# Altium PCB mppt.PcbDoc (part 1 of 2) (continued)
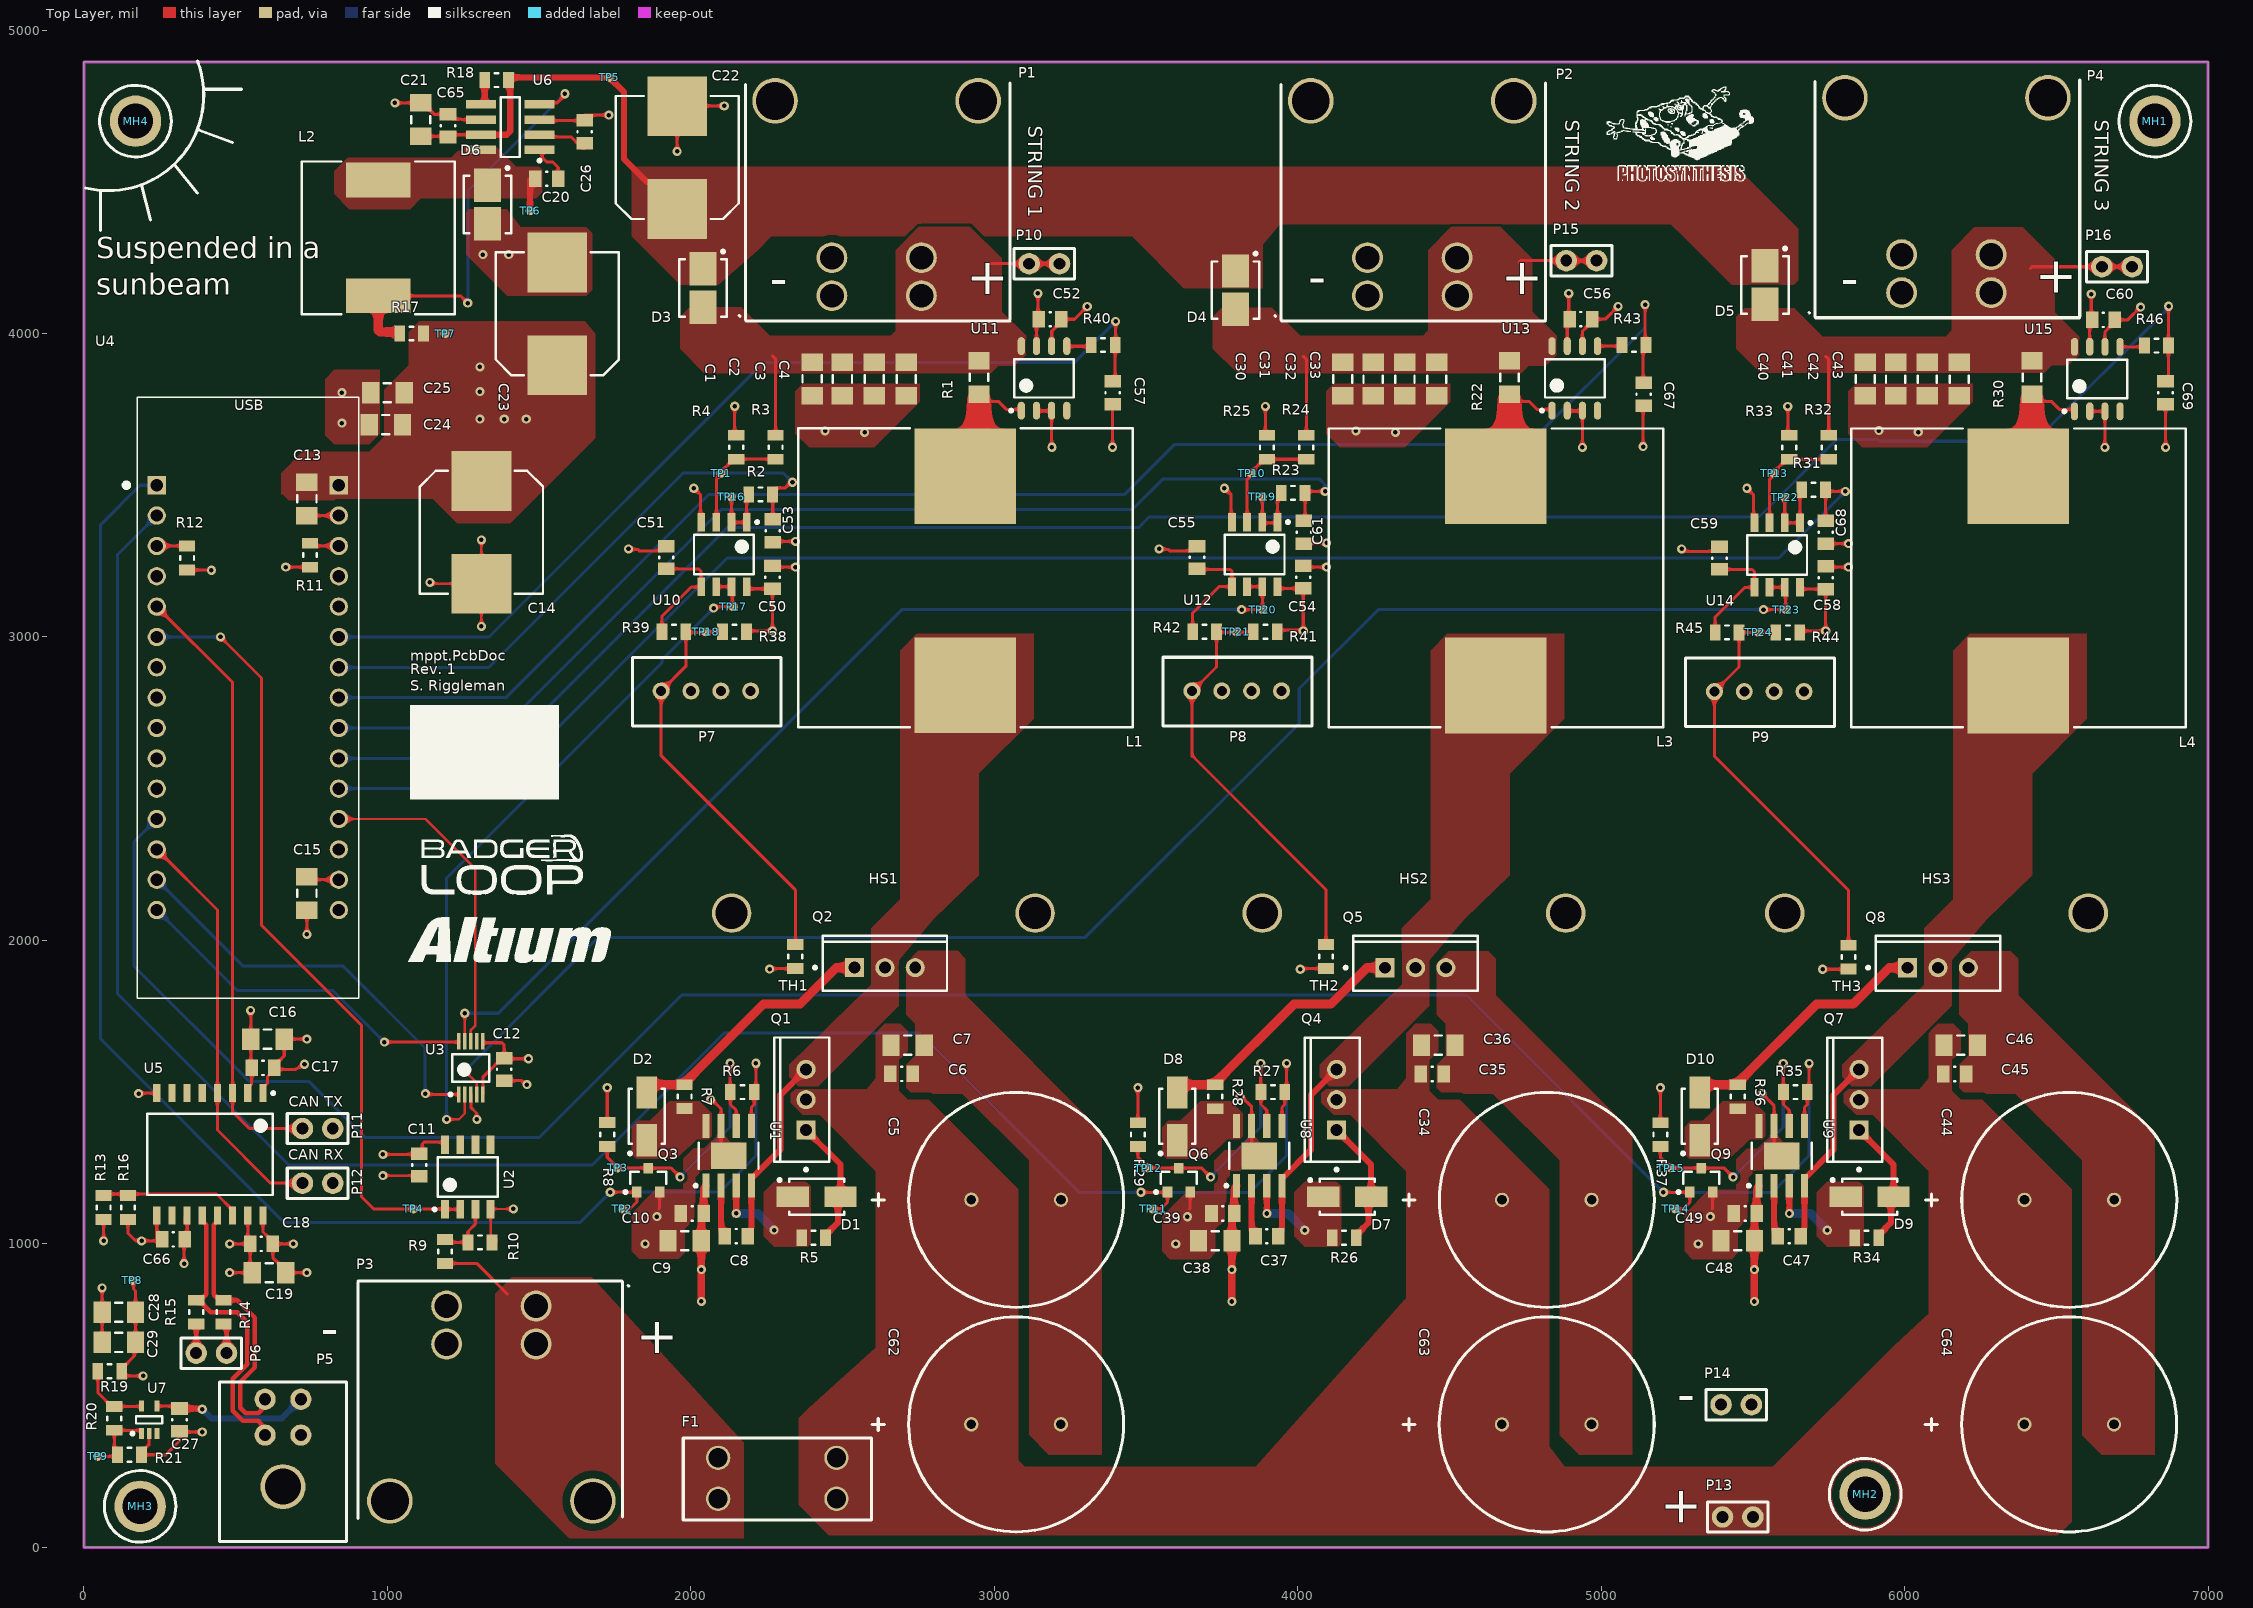
[diagram p0: Top Layer view]
## Part data (continued)
F1: "FUSE HOLDER MINI AUTO PC", Color=Black, Current Rating=20A, Flammability Rating="UL94 V-0", Manufacturer="Keystone Electronics", Max Operating Temperature=145°C, Min Operating Temperature=-50°C, Package Quantity=1, Supplier Part Number 1=3568K-ND, Voltage=500V, Approvals=UL, Body Material=Nylon, ComponentLink1Description=http://www.keyelco.com/userAssets/file/M60-2p40.pdf?src-supplier=Future+Electronics, ComponentLink1URL=http://www.keyelco.com/userAssets/file/M60-2p40.pdf?src-supplier=Future+Electronics, ComponentLink2Description=https://www.alliedelec.com/m/d/15b4f09b8ba48c4b08efedd730709c21.pdf?src-supplier=Allied+Electronics, ComponentLink2URL=https://www.alliedelec.com/m/d/15b4f09b8ba48c4b08efedd730709c21.pdf?src-supplier=Allied+Electronics, Contact Material=Brass,Tin, Contact Plating=Tin, Depth=6.73mm, Fuse Current=20A, Fuse Type=Automotive, Illumination Type=Illuminated, Lead Free="Lead Free", Length=16mm, Manufacturer Part Number=3568, Material=Brass,Tin,Nylon, Mount=PCB,Vertical, Number of Circuits=1, Number of Poles=1, Orientation=Vertical, REACH SVHC="No SVHC", Stock 1=0, Supplier 1=Digi-Key, Termination="PC Pin", Voltage Rating (AC)=500V
HS1 HS2 HS3: "TO-220/218 Packages 5.60 C/W Thermal Resistance Extruded Heat Sink", Case/Package=Radial, Color=Black, Manufacturer="Aavid Thermalloy", Natural Thermal Resistance=5.6°C/W, Package Quantity=500, Supplier Part Number 1=6396BG-ND, Thermal Resistance @ Forced Air Flow (100 LFM)=1.5°C/W, Category="Heat Sinks", ComponentLink1Description=https://datasheet.ciiva.com/15226/getdatasheetpartid-419829-15226549.pdf?src-supplier=Verical, ComponentLink1URL=https://datasheet.ciiva.com/15226/getdatasheetpartid-419829-15226549.pdf?src-supplier=Verical, ComponentLink2Description=https://datasheet.ciiva.com/1005/aavid-board-level-heatsinks-catalog-1005003.pdf?src-supplier=Digi-Key, ComponentLink2URL=https://datasheet.ciiva.com/1005/aavid-board-level-heatsinks-catalog-1005003.pdf?src-supplier=Digi-Key, Depth=25.4mm, Finish=Anodized, Height=25.4mm, Height Off Base=1inch, Lead Free="Lead Free", Length=41.91mm, Manufacturer Part Number=6396BG, Material=Aluminium, Mount="Bolt,PC Pin,Screw", Number of Pins=220, Pricing 1="1=1.68000, 10=1.59700, 25=1.55440, 50=1.51260, 100=1.42850, 250=1.34452, 500=1.26048, 1000=1.17645, 5000=1.13443 (USD)", Radiation Hardening=No, REACH SVHC="No SVHC", RoHS=Yes, RoHS Compliant=Yes, Shape=Fins,Rectangular, Stock 1=13758, Supplier 1=Digi-Key, Type=Passive, Width=41.91mm
L1 L3 L4: "Inductor, 100Uh, 11.2A, 20%, Shielded Rohs Compliant: Yes", Capacitance=10uF, Case/Package=0805, Current Rating=11.2A, DC Resistance (DCR)=22.9mR, Inductance=100uH, Manufacturer="Wurth Electronics", Max Operating Temperature=85°C, Min Operating Temperature=-55°C, Resistor Type=Wirewound, Saturation Current=9.4A, Self Resonant Frequency=4.3MHz, Supplier Part Number 1=732-11715-ND, Tolerance=10%, Voltage Rating=16V, ComponentLink1Description=http://www.farnell.com/datasheets/2579580.pdf?src-supplier=Farnell, ComponentLink1URL=http://www.farnell.com/datasheets/2579580.pdf?src-supplier=Farnell, ComponentLink2Description=https://katalog.we-online.de/pbs/datasheet/74437529203101.pdf?src-supplier=Digi-Key, ComponentLink2URL=https://katalog.we-online.de/pbs/datasheet/74437529203101.pdf?src-supplier=Digi-Key, Core Material=Ferrite, Manufacturer Part Number=74437529203101, Mount="Surface Mount", Packaging="Cut Tape", Pricing 1="1=9.16000, 50=8.03400, 100=7.17300, 270=6.52100 (USD)", RoHS=Yes, RoHS Compliant=Yes, Shielding=Shielded, Stock 1=995, Supplier 1=Digi-Key
L2: "Ind Power Shielded Wirewound 560uH 10% 1KHz 22Q-Factor Ferrite 880mA T/R", Case/Package=Nonstandard, Current Rating=880mA, DC Resistance (DCR)=1R, Inductance=560uH, Inductance Tolerance=10%, Manufacturer=Bourns, Max Operating Temperature=125°C, Min Operating Temperature=-40°C, Package Quantity=600, Ratings=AEC-Q200, Resistor Type=Wirewound, Saturation Current=800mA, Self Resonant Frequency=2.4MHz, Supplier Part Number 1=SRR1260A-561KCT-ND, Test Frequency=1kHz, Category="Fixed Inductors", ComponentLink1Description=https://datasheet.ciiva.com/41859/srr1260a-41859722.pdf?src-supplier=Digi-Key, ComponentLink1URL=https://datasheet.ciiva.com/41859/srr1260a-41859722.pdf?src-supplier=Digi-Key, ComponentLink2Description=https://datasheet.ciiva.com/48685/srr1260a-48685626.pdf?src-supplier=Avnet, ComponentLink2URL=https://datasheet.ciiva.com/48685/srr1260a-48685626.pdf?src-supplier=Avnet, Core Material=Ferrite, Depth=12.8mm, Height=6mm, Height - Seated (Max)=0.256inch, Length=0.492inch, Manufacturer Part Number=SRR1260A-561K, Max DC Current=880mA, Military Standard=Not, Mount="Surface Mount", Packaging="Cut Tape", Pricing 1="1=1.49000, 10=1.38400, 25=1.27760, 50=1.06460, 100=1.00070, 250=0.89420 (USD)", REACH SVHC="No SVHC", RMS Current (Irms)=880mA, RoHS=No, Shielding=Shielded, Stock 1=333, Supplier 1=Digi-Key, Tolerance=10%, Width=0.492inch
P1 P2 P3 P4: "Conn Power HDR 2 POS 7.49mm Solder RA Thru-Hole 4 Terminal 1 Port Sabre™ Tray", Color=Black, Contact Resistance=30mR, Current Rating=18A, Manufacturer=Molex, Max Operating Temperature=75°C, Min Operating Temperature=-40°C, Package Quantity=525, Supplier Part Number 1=WM13983-ND, Voltage Rating=600V, ComponentLink1Description=https://www.verical.com/server-webapp/html/getDatasheet?partID=198412&src-supplier=Verical, ComponentLink1URL=https://www.verical.com/server-webapp/html/getDatasheet?partID=198412&src-supplier=Verical, ComponentLink2Description=http://components.arrow.com/part/dataview/2942820S6220968N3303?src-supplier=Arrow, ComponentLink2URL=http://components.arrow.com/part/dataview/2942820S6220968N3303?src-supplier=Arrow, ComponentLink3Description=http://www.molex.com/pdm_docs/ps/PSX-43335-9999.pdf?src-supplier=Digi-Key, ComponentLink3URL=http://www.molex.com/pdm_docs/ps/PSX-43335-9999.pdf?src-supplier=Digi-Key, Contact Material=Brass, Contact Plating=Tin,Copper, Depth=19.79mm, Fastening Type=Ramp, Housing Color=Black, Housing Material=Nylon, Insulation Material=Nylon, Length=21.08mm, Manufacturer Part Number=0431605302, Mount="Through Hole", Number of Contacts=2, Number of Ports=1, Number of Positions=2, Number of Rows=1, Number of Terminals=4, Orientation="Right Angle", Packaging=Tray, Pitch=7.49mm, Stock 1=0, Supplier 1=Digi-Key, Termination=Solder
P5: "Male connector dual row 90° 3 mm Pole no. 2x2 Micro-Fit, 43045-0400, Molex", Color=Black, Contact Resistance=10mR, Flammability Rating="UL94 V-0", Manufacturer=Molex, Max Operating Temperature=105°C, Max Voltage Rating (AC)=250V, Min Operating Temperature=-40°C, Supplier Part Number 1=WM1814-ND, ComponentLink1Description=https://datasheet.ciiva.com/712/430450200-sd-712017.pdf?src-supplier=Digi-Key, ComponentLink1URL=https://datasheet.ciiva.com/712/430450200-sd-712017.pdf?src-supplier=Digi-Key, ComponentLink2Description=https://datasheet.ciiva.com/20209/22-3744e-20209522.pdf?src-supplier=Rapid+Electronics, ComponentLink2URL=https://datasheet.ciiva.com/20209/22-3744e-20209522.pdf?src-supplier=Rapid+Electronics, ComponentLink3Description=https://datasheet.ciiva.com/11746/0900766b80027348-11746988.pdf?src-supplier=RSComponents, ComponentLink3URL=https://datasheet.ciiva.com/11746/0900766b80027348-11746988.pdf?src-supplier=RSComponents, ComponentLink4Description=https://datasheet.ciiva.com/30193/145420430450400-pcb-headers-30193310.pdf?src-supplier=Onlinecomponents.com, ComponentLink4URL=https://datasheet.ciiva.com/30193/145420430450400-pcb-headers-30193310.pdf?src-supplier=Onlinecomponents.com, Connector Type="Male Pin", Contact Material=Brass, Contact Plating=Tin, Depth=12.2mm, Fastening Type=Ramp, Housing Color=Black, Housing Material=Polymer, Length=10.15mm, Manufacturer Part Number=43045-0400, Mount="Through Hole", Number of Contacts=4, Number of Positions=4, Number of Rows=2, Orientation="Right Angle", Packaging=Tray, Pitch=3mm, Pricing 1="1=1.33000, 10=1.16700, 100=1.00670, 500=0.82368, 1000=0.73216, 5000=0.64064, 10000=0.60861 (USD)", RoHS=Yes, Row Spacing=0.118inch, Stock 1=5904, Supplier 1=Digi-Key, Termination=Solder
P6 P10 P11 P12 P13 P14 P15 P16: "Header, 2-Pin", LatestRevisionDate=17-Jul-2002, LatestRevisionNote="Re-released for DXP Platform.", Publisher="Altium Limited"
P7 P8 P9: "JST-XH CONN HEADER VERT 4POS 2.5MM", Manufacturer="JST Sales America", Manufacturer P/N=B4B-XH-A(LF)(SN), Digikey Link=https://www.digikey.com/product-detail/en/jst-sales-america-inc/B4B-XH-A-LF-SN/455-2249-ND/1651047, Digikey P/N=455-2249-ND
Q1 Q2 Q4 Q5 Q7 Q8: "Single N-Channel 150 V 7.5 mOhm 70 nC OptiMOS Power Mosfet - TO-220-3", Case/Package=TO-220-3, Continuous Drain Current (ID)=100A, Drain to Source Breakdown Voltage=150V, Drain to Source Resistance=7.5mR, Gate to Source Voltage (Vgs)=20V, Input Capacitance=5.47nF, Manufacturer=Infineon, Max Operating Temperature=175°C, Max Power Dissipation=300W, Min Operating Temperature=-55°C, Package Quantity=500, Supplier Part Number 1=1702269, Threshold Voltage=3V, Category=MOSFETs, ComponentLink1Description=https://datasheet.ciiva.com/26944/ipp075n15n3g-26944675.pdf?src-supplier=IIIC, ComponentLink1URL=https://datasheet.ciiva.com/26944/ipp075n15n3g-26944675.pdf?src-supplier=IIIC, ComponentLink2Description=https://datasheet.ciiva.com/11172/infineon-ipp075n15n3-ds-v02-06-en-11172037.pdf?src-supplier=Avnet, ComponentLink2URL=https://datasheet.ciiva.com/11172/infineon-ipp075n15n3-ds-v02-06-en-11172037.pdf?src-supplier=Avnet, ComponentLink3Description=https://datasheet.ciiva.com/16486/infineon-ipp075n15n3-ds-v02-06-en-16486875.pdf?src-supplier=Avnet+Asia, ComponentLink3URL=https://datasheet.ciiva.com/16486/infineon-ipp075n15n3-ds-v02-06-en-16486875.pdf?src-supplier=Avnet+Asia, ComponentLink4Description=https://datasheet.ciiva.com/26130/infineon-ipp075n15n3-ds-v02-06-en-26130155.pdf?src-supplier=Avnet+Europe, ComponentLink4URL=https://datasheet.ciiva.com/26130/infineon-ipp075n15n3-ds-v02-06-en-26130155.pdf?src-supplier=Avnet+Europe, Current=100A, Drain to Source Voltage (Vdss)=150V, Element Configuration=Single, Fall Time=14ns, Halogen Free="Halogen Free", Height=9.45mm, Lead Free="Lead Free", Length=10.36mm, Manufacturer Part Number=IPP075N15N3GXKSA1, Number of Pins=3, Packaging=Rail/Tube, Power Dissipation=300W, Pricing 1="50=7.51200, 100=6.52800, 250=6.19000, 50=5.42300, 100=4.71300, 250=4.46900 (USD)", Radiation Hardening=No, Rds On Max=7.5mR, REACH SVHC="No SVHC", Rise Time=35ns, RoHS=Yes, Series=OptiMOS™, Stock 1=130, Supplier 1=RSComponents, Turn-Off Delay Time=46ns, Turn-On Delay Time=25ns, Voltage=150V, Width=4.57mm
Q3 Q6 Q9: "MOSFET N-CH 60V 200MA SOT23-3", Manufacturer=Zetex, Manufacturer P/N=ZVN4106FTA, Digikey P/N=ZVN4106FCT-ND, DNP=DNP
R1 R22 R30: library part PMR18EZPFV4L00, "RES SMD 0.004 OHM 1% 1W 1206", Case Code (Imperial)=1206, Case Code (Metric)=3216, Manufacturer=Rohm, Max Operating Temperature=155°C, Max Power Dissipation=1W, Min Operating Temperature=-55°C, Package Quantity=1, Resistance=4mR, Supplier Part Number 1=RHM.004ALDKR-ND, Temperature Coefficient=100ppm/°C, Tolerance=1%, Case/Package=1206, ComponentLink1Description=http://www.rohm.com/web/global/datasheet/PMR18EZPFV/pmr-e?src-supplier=Digi-Key, ComponentLink1URL=http://www.rohm.com/web/global/datasheet/PMR18EZPFV/pmr-e?src-supplier=Digi-Key, ComponentLink2Description=https://www.rohm.com/datasheet/PMR18EZPFV/pmr-e?src-supplier=Digi-Key, ComponentLink2URL=https://www.rohm.com/datasheet/PMR18EZPFV/pmr-e?src-supplier=Digi-Key, Composition="Thick Film", Features="Automotive AEC-Q200", Height=0.022inch, Lead Free="Lead Free", Length=0.126inch, Manufacturer Part Number=PMR18EZPFV4L00, Number of Terminations=2, Packaging="Tape and Reel", Pricing 1="1=0.73, 10=0.54, 25=0.4384, 50=0.3812, 100=0.3144, 250=0.27316, 500=0.22234, 1000=0.17635 (USD)", Stock 1=28741, Supplier 1=Digi-Key, Width=0.063inch
R2 R23 R31 R40 R43 R46: library part ERJ-6GEYJ102V, "RES SMD 1K OHM 5% 1/8W 0805", Digi-Key Part Number=P1.0KACT-ND, Manufacturer="Panasonic Electronic Components", Operating Temperature="-55°C ~ 155°C", Package / Case="0805 (2012 Metric)", Power (Watts)="0.125W, 1/8W", Supplier Device Package=0805, Temperature Coefficient=±200ppm/°C, Tolerance=±5%, @ qty=1500, Composition="Thick Film", Datasheets=http://industrial.panasonic.com/www-cgi/jvcr13pz.cgi?E+PZ+3+AOA0001+ERJ6GEYJ102V+7+WW, Factory Stock=0, Failure Rate=-, Features="Automotive AEC-Q200", Height - Seated (Max)="0.028\" (0.70mm)", Image=//media.digikey.com/Renders/Panasonic%20Renders/ERJ-0805%20Pkg.jpg, Minimum Quantity=1, Number of Terminations=2, Packaging="Cut Tape (CT)", Part Number=ERJ-6GEYJ102V, Part Status=Active, Quantity Available=1082417, Series=ERJ, Size / Dimension="0.079\" L x 0.049\" W (2.00mm x 1.25mm)", Unit Price (USD)=0.00496
R3 R9 R24 R32: library part ERJ-6ENF1003V, "RES SMD 100K OHM 1% 1/8W 0805", Digi-Key Part Number=P100KCCT-ND, Manufacturer="Panasonic Electronic Components", Operating Temperature="-55°C ~ 155°C", Package / Case="0805 (2012 Metric)", Power (Watts)="0.125W, 1/8W", Supplier Device Package=0805, Temperature Coefficient=±100ppm/°C, Tolerance=±1%, @ qty=1500, Composition="Thick Film", Datasheets=http://industrial.panasonic.com/www-cgi/jvcr13pz.cgi?E+PZ+3+AOA0002+ERJ6ENF1003V+7+WW, Factory Stock=0, Failure Rate=-, Features="Automotive AEC-Q200", Height - Seated (Max)="0.028\" (0.70mm)", Image=//media.digikey.com/Renders/Panasonic%20Renders/ERJ-0805%20Pkg.jpg, Minimum Quantity=1, Number of Terminations=2, Packaging="Cut Tape (CT)", Part Number=ERJ-6ENF1003V, Part Status=Active, Quantity Available=760677, Series=ERJ, Size / Dimension="0.079\" L x 0.049\" W (2.00mm x 1.25mm)", Unit Price (USD)=0.00729
R4 R10 R25 R33: library part ERJ-6ENF3301V, "RES SMD 3.3K OHM 1% 1/8W 0805", Digi-Key Part Number=P3.30KCCT-ND, Manufacturer="Panasonic Electronic Components", Operating Temperature="-55°C ~ 155°C", Package / Case="0805 (2012 Metric)", Power (Watts)="0.125W, 1/8W", Supplier Device Package=0805, Temperature Coefficient=±100ppm/°C, Tolerance=±1%, @ qty=1500, Composition="Thick Film", Datasheets=http://industrial.panasonic.com/www-cgi/jvcr13pz.cgi?E+PZ+3+AOA0002+ERJ6ENF3301V+7+WW, Factory Stock=0, Failure Rate=-, Features="Automotive AEC-Q200", Height - Seated (Max)="0.028\" (0.70mm)", Image=//media.digikey.com/Renders/Panasonic%20Renders/ERJ-0805%20Pkg.jpg, Minimum Quantity=1, Number of Terminations=2, Packaging="Cut Tape (CT)", Part Number=ERJ-6ENF3301V, Part Status=Active, Quantity Available=89456, Series=ERJ, Size / Dimension="0.079\" L x 0.049\" W (2.00mm x 1.25mm)", Unit Price (USD)=0.00729
R5 R6 R7 R17 R18 R19 R26 R27 R28 R34 R35 R36: library part ERJ-6GEY0R00V, "RES SMD 0.0 OHM JUMPER 1/8W 0805", Digi-Key Part Number=P0.0ACT-ND, Manufacturer="Panasonic Electronic Components", Operating Temperature="-55°C ~ 155°C", Package / Case="0805 (2012 Metric)", Power (Watts)="0.125W, 1/8W", Supplier Device Package=0805, Temperature Coefficient=-, Tolerance=Jumper, @ qty=1500, Composition="Thick Film", Datasheets=http://industrial.panasonic.com/www-cgi/jvcr13pz.cgi?E+PZ+3+AOA0001+ERJ6GEY0R00V+7+WW, Factory Stock=0, Failure Rate=-, Features="Automotive AEC-Q200", Height - Seated (Max)="0.028\" (0.70mm)", Image=//media.digikey.com/Renders/Panasonic%20Renders/ERJ-0805%20Pkg.jpg, Minimum Quantity=1, Number of Terminations=2, Packaging="Cut Tape (CT)", Part Number=ERJ-6GEY0R00V, Part Status=Active, Quantity Available=1597627, Series=ERJ, Size / Dimension="0.079\" L x 0.049\" W (2.00mm x 1.25mm)", Unit Price (USD)=0.00544
R8 R29 R37: library part ERJ-6GEYJ103V, "RES SMD 10K OHM 5% 1/8W 0805", Digi-Key Part Number=P10KACT-ND, Manufacturer="Panasonic Electronic Components", Operating Temperature="-55°C ~ 155°C", Package / Case="0805 (2012 Metric)", Power (Watts)="0.125W, 1/8W", Supplier Device Package=0805, Temperature Coefficient=±200ppm/°C, Tolerance=±5%, @ qty=1500, Composition="Thick Film", Datasheets=http://industrial.panasonic.com/www-cgi/jvcr13pz.cgi?E+PZ+3+AOA0001+ERJ6GEYJ103V+7+WW, DNP=DNP, Factory Stock=0, Failure Rate=-, Features="Automotive AEC-Q200", Height - Seated (Max)="0.028\" (0.70mm)", Image=//media.digikey.com/Renders/Panasonic%20Renders/ERJ-0805%20Pkg.jpg, Minimum Quantity=1, Number of Terminations=2, Packaging="Cut Tape (CT)", Part Number=ERJ-6GEYJ103V, Part Status=Active, Quantity Available=2328224, Series=ERJ, Size / Dimension="0.079\" L x 0.049\" W (2.00mm x 1.25mm)", Unit Price (USD)=0.00496
R11 R12 R13 R16 R21 R38 R41 R44: library part ERJ-P06J103V, "RES SMD 10K OHM 5% 1/2W 0805", Digi-Key Part Number=P10KADCT-ND, Manufacturer="Panasonic Electronic Components", Operating Temperature="-55°C ~ 155°C", Package / Case="0805 (2012 Metric)", Power (Watts)="0.5W, 1/2W", Supplier Device Package=0805, Temperature Coefficient=±200ppm/°C, Tolerance=±5%, @ qty=1500, Composition="Thick Film", Datasheets=https://industrial.panasonic.com/cdbs/www-data/pdf/RDA0000/AOA0000C243.pdf, Factory Stock=0, Failure Rate=-, Features="Automotive AEC-Q200, Pulse Withstanding", Height - Seated (Max)="0.028\" (0.70mm)", Image=//media.digikey.com/Renders/Panasonic%20Renders/ERJ-0805%20Pkg.jpg, Minimum Quantity=1, Number of Terminations=2, Packaging="Cut Tape (CT)", Part Number=ERJ-P06J103V, Part Status=Active, Quantity Available=413576, Series=ERJ, Size / Dimension="0.079\" L x 0.049\" W (2.00mm x 1.25mm)", Unit Price (USD)=0.01839
  R13: DNP=DNP
R14 R15: library part ERJ-6ENF60R4V, "RES SMD 60.4 OHM 1% 1/8W 0805", Digi-Key Part Number=P60.4CCT-ND, Manufacturer="Panasonic Electronic Components", Operating Temperature="-55°C ~ 155°C", Package / Case="0805 (2012 Metric)", Power (Watts)="0.125W, 1/8W", Supplier Device Package=0805, Temperature Coefficient=±100ppm/°C, Tolerance=±1%, @ qty=1500, Composition="Thick Film", Datasheets=http://industrial.panasonic.com/www-cgi/jvcr13pz.cgi?E+PZ+3+AOA0002+ERJ6ENF60R4V+7+WW, Factory Stock=0, Failure Rate=-, Features="Automotive AEC-Q200", Height - Seated (Max)="0.028\" (0.70mm)", Image=//media.digikey.com/Renders/Panasonic%20Renders/ERJ-0805%20Pkg.jpg, Minimum Quantity=1, Number of Terminations=2, Packaging="Cut Tape (CT)", Part Number=ERJ-6ENF60R4V, Part Status=Active, Quantity Available=57422, Series=ERJ, Size / Dimension="0.079\" L x 0.049\" W (2.00mm x 1.25mm)", Unit Price (USD)=0.00729
R20: library part ERJ-6ENF2493V, "RES SMD 249K OHM 1% 1/8W 0805", Digi-Key Part Number=P249KCCT-ND, Manufacturer="Panasonic Electronic Components", Operating Temperature="-55°C ~ 155°C", Package / Case="0805 (2012 Metric)", Power (Watts)="0.125W, 1/8W", Supplier Device Package=0805, Temperature Coefficient=±100ppm/°C, Tolerance=±1%, @ qty=1500, Composition="Thick Film", Datasheets=http://industrial.panasonic.com/www-cgi/jvcr13pz.cgi?E+PZ+3+AOA0002+ERJ6ENF2493V+7+WW, Factory Stock=0, Failure Rate=-, Features="Automotive AEC-Q200", Height - Seated (Max)="0.028\" (0.70mm)", Image=//media.digikey.com/Renders/Panasonic%20Renders/ERJ-0805%20Pkg.jpg, Minimum Quantity=1, Number of Terminations=2, Packaging="Cut Tape (CT)", Part Number=ERJ-6ENF2493V, Part Status=Active, Quantity Available=50796, Series=ERJ, Size / Dimension="0.079\" L x 0.049\" W (2.00mm x 1.25mm)", Unit Price (USD)=0.00729
R39 R42 R45: library part ERJ-6ENF3002V, "RES SMD 30K OHM 1% 1/8W 0805", Digi-Key Part Number=P30.0KCCT-ND, Manufacturer="Panasonic Electronic Components", Operating Temperature="-55°C ~ 155°C", Package / Case="0805 (2012 Metric)", Power (Watts)="0.125W, 1/8W", Supplier Device Package=0805, Temperature Coefficient=±100ppm/°C, Tolerance=±1%, @ qty=1500, Composition="Thick Film", Datasheets=http://industrial.panasonic.com/www-cgi/jvcr13pz.cgi?E+PZ+3+AOA0002+ERJ6ENF3002V+7+WW, Factory Stock=0, Failure Rate=-, Features="Automotive AEC-Q200", Height - Seated (Max)="0.028\" (0.70mm)", Image=//media.digikey.com/Renders/Panasonic%20Renders/ERJ-0805%20Pkg.jpg, Minimum Quantity=1, Number of Terminations=2, Packaging="Cut Tape (CT)", Part Number=ERJ-6ENF3002V, Part Status=Active, Quantity Available=88046, Series=ERJ, Size / Dimension="0.079\" L x 0.049\" W (2.00mm x 1.25mm)", Unit Price (USD)=0.00729
TH1 TH2 TH3: "NTC THERMISTOR 4.7K OHM 5% 0805", Case Code (Imperial)=0805, Case Code (Metric)=2012, Current Rating=650uA, Manufacturer=Murata, Max Operating Temperature=125°C, Max Power Dissipation=200mW, Min Operating Temperature=-40°C, Package Quantity=4000, Resistance=4.7kR, Supplier Part Number 1=490-2453-1-ND, Tolerance=5%, Accuracy=3%, Case/Package=0805, ComponentLink1Description=https://datasheet.ciiva.com/30488/0900766b81259d06-30488337.pdf?src-supplier=RSComponents, ComponentLink1URL=https://datasheet.ciiva.com/30488/0900766b81259d06-30488337.pdf?src-supplier=RSComponents, ComponentLink2Description=https://datasheet.ciiva.com/2848/r44e-2848550.pdf?src-supplier=Digi-Key, ComponentLink2URL=https://datasheet.ciiva.com/2848/r44e-2848550.pdf?src-supplier=Digi-Key, ComponentLink3Description=https://datasheet.ciiva.com/24155/r44e-24155222.pdf?src-supplier=Future+Electronics, ComponentLink3URL=https://datasheet.ciiva.com/24155/r44e-24155222.pdf?src-supplier=Future+Electronics, ComponentLink4Description=https://datasheet.ciiva.com/2848/r44e-2848551.pdf?src-supplier=Digi-Key, ComponentLink4URL=https://datasheet.ciiva.com/2848/r44e-2848551.pdf?src-supplier=Digi-Key, ComponentLink5Description=https://datasheet.ciiva.com/2848/r44e-2848552.pdf?src-supplier=Digi-Key, ComponentLink5URL=https://datasheet.ciiva.com/2848/r44e-2848552.pdf?src-supplier=Digi-Key, ComponentLink6Description=https://datasheet.ciiva.com/16634/l0770c-16634105.pdf?src-supplier=Avnet+Europe, ComponentLink6URL=https://datasheet.ciiva.com/16634/l0770c-16634105.pdf?src-supplier=Avnet+Europe, ComponentLink7Description=https://datasheet.ciiva.com/3280/l0770c-3280522.pdf?src-supplier=Avnet, ComponentLink7URL=https://datasheet.ciiva.com/3280/l0770c-3280522.pdf?src-supplier=Avnet, Depth=1.25mm, Height=0.85mm, Lead Free="Lead Free", Length=2mm, Manufacturer Part Number=NCP21XM472J03RA, Mount="Surface Mount", Number of Pins=2, Packaging="Tape and Reel", Power Rating=200mW, Pricing 1="1=0.20000, 5=0.19400, 10=0.17300, 25=0.15920, 50=0.12760, 100=0.10930, 500=0.09564, 1000=0.08197 (USD)", Radiation Hardening=No, REACH SVHC="No SVHC", RoHS=Yes, Stock 1=51855, Supplier 1=Digi-Key, Termination=SMD/SMT, Width=1.25mm
TP1 TP2 TP3 TP4 TP5 TP6 TP7 TP8 TP9 TP10 TP11 TP12 TP13 TP14 TP15 TP16 TP17 TP18 TP19 TP20 TP21 TP22 TP23 TP24: "SMD TEST POINT"
U1 U8 U9: "MOSFET DRVR 2A 2-OUT Hi/Lo Side Half Brdg Inv/Non-Inv 8-Pin SOIC EP", Case/Package=SOIC, Manufacturer=Maxim, Max Operating Temperature=125°C, Max Output Current=2A, Max Power Dissipation=1.5W, Max Supply Current=3mA, Max Supply Voltage=12.6V, Min Operating Temperature=-40°C, Min Supply Voltage=8V, Nominal Supply Current=140uA, Package Quantity=100, Supplier Part Number 1=1922782, Category="Gate Drivers", ComponentLink1Description=https://datasheet.ciiva.com/1950/max5062-max5064b-1950862.pdf?src-supplier=Digi-Key, ComponentLink1URL=https://datasheet.ciiva.com/1950/max5062-max5064b-1950862.pdf?src-supplier=Digi-Key, ComponentLink2Description=https://datasheet.ciiva.com/17235/max5062-max5064b-17235833.pdf?src-supplier=Avnet+Europe, ComponentLink2URL=https://datasheet.ciiva.com/17235/max5062-max5064b-17235833.pdf?src-supplier=Avnet+Europe, Fall Time=7ns, Height=1.5mm, Lead Free="Lead Free", Length=5mm, Manufacturer Part Number=MAX5063DASA+, Mount="Surface Mount", Number of Drivers=2, Number of Outputs=2, Number of Pins=8, Output Current=2A, Packaging=Rail/Tube, Pricing 1="100=5.06000, 300=4.94500 (GBP)", Radiation Hardening=No, Rise Time=7ns, RoHS=Yes, RoHS Compliant=Yes, Series=-, Stock 1=70, Supplier 1=RSComponents, Supply Current=140uA, Width=4mm
U2 U10 U12 U14: "IC OPAMP JFET 3MHZ 8SOIC", Case/Package=D, Dual Supply Voltage=9V, Input Bias Current=200pA, Input Offset Voltage (Vos)=10mV, Manufacturer="Texas Instruments", Max Dual Supply Voltage=18V, Max Operating Temperature=85°C, Min Dual Supply Voltage=3.5V, Min Operating Temperature=-40°C, Nominal Supply Current=5mA, Operating Supply Current=1.4mA, Package Quantity=1, Supplier Part Number 1=296-1282-6-ND, Voltage Gain=106.02dB, Bandwidth=3MHz, Common Mode Rejection Ratio=70dB, ComponentLink1Description=http://www.ti.com/lit/ds/symlink/tl071a.pdf?src-supplier=Digi-Key, ComponentLink1URL=http://www.ti.com/lit/ds/symlink/tl071a.pdf?src-supplier=Digi-Key, ComponentLink2Description=http://www.ti.com/general/docs/lit/getliterature.tsp?genericPartNumber=TL072&&fileType=pdf&src-supplier=Avnet, ComponentLink2URL=http://www.ti.com/general/docs/lit/getliterature.tsp?genericPartNumber=TL072&&fileType=pdf&src-supplier=Avnet, ComponentLink3Description=http://www.farnell.com/datasheets/1882732.pdf?src-supplier=Element14, ComponentLink3URL=http://www.farnell.com/datasheets/1882732.pdf?src-supplier=Element14, Contact Plating=Gold, Gain Bandwidth Product=3MHz, Height=1.58mm, Lead Free="Lead Free", Length=4.9mm, Manufacturer Part Number=TL072CDR, Max I/O Voltage=10mV, Max Supply Voltage=18V, Nominal Gain Bandwidth Product=3MHz, Number of Amplifiers=2, Number of Channels=2, Number of Circuits=2, Number of Elements=2, Number of Pins=8, Packaging="Tape and Reel", Pricing 1="1=0.41, 10=0.334, 100=0.2059, 500=0.1562, 1000=0.11715 (USD)", Radiation Hardening=No, REACH SVHC="No SVHC", Slew Rate=13V/µs, Stock 1=21821, Supplier 1=Digi-Key, Unity Gain Bandwidth Product=3MHz, Width=3.91mm
U3: "5-V, 4: 1, 1-channel, general-purpose analog multiplexer 10-VSSOP -40 to 125", Manufacturer="Texas Instruments", Supplier Part Number 1=296-TMUX1204DGSRCT-ND, Category="Decoders and Multiplexers", ComponentLink1Description=http://www.ti.com/general/docs/suppproductinfo.tsp?distId=10&amp;gotoUrl=http%3A%2F%2Fwww.ti.com%2Flit%2Fgpn%2Ftmux1204&src-supplier=Digi-Key, ComponentLink1URL=http://www.ti.com/general/docs/suppproductinfo.tsp?distId=10&amp;gotoUrl=http%3A%2F%2Fwww.ti.com%2Flit%2Fgpn%2Ftmux1204&src-supplier=Digi-Key, Manufacturer Part Number=TMUX1204DGSR, Pricing 1="1=0.99000, 10=0.86800, 25=0.81480, 100=0.66510, 250=0.61776, 500=0.52576, 1000=0.43400 (USD)", RoHS=Yes, Stock 1=243, Supplier 1=Digi-Key
U4: "BOARD NUCLEO STM32F303K8T6", Manufacturer=STMicroelectronics, Supplier Part Number 1=497-15981-ND, ComponentLink1Description=http://www.farnell.com/datasheets/2064195.pdf?src-supplier=Farnell, ComponentLink1URL=http://www.farnell.com/datasheets/2064195.pdf?src-supplier=Farnell, ComponentLink2Description=http://www.st.com/content/ccc/resource/technical/document/data_brief/b1/d8/13/d4/b0/b7/4b/6e/DM00214578.pdf/files/DM00214578.pdf/jcr:content/translations/en.DM00214578.pdf?src-supplier=Digi-Key, ComponentLink2URL=http://www.st.com/content/ccc/resource/technical/document/data_brief/b1/d8/13/d4/b0/b7/4b/6e/DM00214578.pdf/files/DM00214578.pdf/jcr:content/translations/en.DM00214578.pdf?src-supplier=Digi-Key, ComponentLink3Description=http://www.farnell.com/datasheets/1966773.pdf?src-supplier=Element14, ComponentLink3URL=http://www.farnell.com/datasheets/1966773.pdf?src-supplier=Element14, ComponentLink4Description=http://www.farnell.com/datasheets/2064195.pdf?src-supplier=Newark, ComponentLink4URL=http://www.farnell.com/datasheets/2064195.pdf?src-supplier=Newark, ComponentLink5Description=http://www.st.com/st-web-ui/static/active/en/resource/technical/document/user_manual/DM00116575.pdf?s_searchtype=keyword&src-supplier=Avnet+Asia, ComponentLink5URL=http://www.st.com/st-web-ui/static/active/en/resource/technical/document/user_manual/DM00116575.pdf?s_searchtype=keyword&src-supplier=Avnet+Asia, ComponentLink6Description=http://www.st.com/st-web-ui/static/active/en/resource/technical/document/user_manual/DM00116575.pdf?s_searchtype=keyword&src-supplier=Avnet, ComponentLink6URL=http://www.st.com/st-web-ui/static/active/en/resource/technical/document/user_manual/DM00116575.pdf?s_searchtype=keyword&src-supplier=Avnet, ComponentLink7Description=http://www.farnell.com/datasheets/2064195.pdf?src-supplier=Element14, ComponentLink7URL=http://www.farnell.com/datasheets/2064195.pdf?src-supplier=Element14, Core Architecture=ARM, Evaluation Kit=Yes, Lead Free="Lead Free", Manufacturer Part Number=NUCLEO-L432KC, Number of Bits=32, Pricing 1="1=10.99000 (USD)", Pricing 2="1=12.40000 (USD)", REACH SVHC="No SVHC", RoHS=Yes, Stock 1=171, Stock 2=56, Supplier 1=Digi-Key, Supplier 2=Newark, Supplier Part Number 2=96Y9505
U5: "Transceiver, Can, 1DRIV/1RCVR, 5V, SOIC-", Case/Package=SOIC, Manufacturer=NVE, Max Operating Temperature=125°C, Max Supply Voltage=5.5V, Min Operating Temperature=-55°C, Min Supply Voltage=3V, Package Quantity=50, Supplier Part Number 1=390-IL41050TE-ND, Category="Interface ICs", ComponentLink1Description=https://www.nve.com/Downloads/il41050.pdf?src-supplier=Digi-Key, ComponentLink1URL=https://www.nve.com/Downloads/il41050.pdf?src-supplier=Digi-Key, ComponentLink2Description=http://www.nve.com/Downloads/il41050.pdf?src-supplier=Element14, ComponentLink2URL=http://www.nve.com/Downloads/il41050.pdf?src-supplier=Element14, Interface=Serial, Manufacturer Part Number=IL41050TE, Mount="Surface Mount", Number of Pins=16, Number of Receive Buffers=1, Number of Transmit Buffers=1, Packaging=Rail/Tube, Pricing 1="1=5.56000, 10=4.99500, 25=4.72240, 100=4.09270, 250=3.88280, 500=3.48400, 1000=2.97000 (USD)", REACH SVHC="No SVHC", RoHS=Yes, RoHS Compliant=Yes, Series=IsoLoop®, Stock 1=2254, Supplier 1=Digi-Key
U6: "500mA, 76V, High-Efficiency, MAXPower Step-Down DC-DC Converter", Case/Package=SOIC, Manufacturer=Maxim, Max Input Voltage=76V, Max Operating Temperature=85°C, Max Output Current=500mA, Min Input Voltage=7.5V, Min Operating Temperature=0°C, Output Voltage=12V, Package Quantity=100, Switching Frequency=125kHz, Category="Voltage Regulators - Switching", ComponentLink1Description=https://datasheet.ciiva.com/2028/max5033-2028886.pdf?src-supplier=Digi-Key, ComponentLink1URL=https://datasheet.ciiva.com/2028/max5033-2028886.pdf?src-supplier=Digi-Key, ComponentLink2Description=https://datasheet.ciiva.com/3221/max5033-3221037.pdf?src-supplier=Avnet, ComponentLink2URL=https://datasheet.ciiva.com/3221/max5033-3221037.pdf?src-supplier=Avnet, ComponentLink3Description=https://datasheet.ciiva.com/17366/max5033-17366426.pdf?src-supplier=Avnet+Europe, ComponentLink3URL=https://datasheet.ciiva.com/17366/max5033-17366426.pdf?src-supplier=Avnet+Europe, Lead Free="Lead Free", Manufacturer Part Number=MAX5033CUSA+, Mount="Surface Mount", Number of Outputs=1, Number of Pins=8, Output Current=500mA, Output Type=Fixed, Packaging=Rail/Tube, Pricing 1="200=2.08005, 400=2.05065, 600=2.02125, 1000=1.99185, 2000=1.96245, 10000=1.93305, 20000=1.90365 (USD)", Radiation Hardening=No, RoHS=Yes, RoHS Compliant=Yes, Series=-, Stock 1=6317, Supplier 1=Avnet, Supplier Part Number 1=MAX5033CUSA+, Synchronous Rectifier=No
U7: "High input voltage - 85 mA LDO linear regulator, SOT323-5L, Tape and Reel", Manufacturer=STMicroelectronics, Supplier Part Number 1=497-ST715CRTR-ND, Manufacturer Part Number=ST715CR, Pricing 1="3000=0.39410 (USD)", RoHS=Yes, Stock 1=3000, Supplier 1=Digi-Key
U11 U13 U15: "IC AMP CURRENT SENSE 8-TSSOP 100V/V", Case/Package=TSSOP, Input Bias Current=90uA, Input Offset Voltage (Vos)=5uV, Manufacturer="Texas Instruments", Manufacturer Part Number=INA240A3PWR, Max Operating Temperature=125°C, Min Operating Temperature=-40°C, Operating Supply Current=1.8mA, Supplier Part Number 1=296-45090-1-ND, -3db Bandwidth=400kHz, ComponentLink1Description=http://www.ti.com/general/docs/lit/getliterature.tsp?genericPartNumber=INA240&fileType=pdf&src-supplier=Farnell, ComponentLink1URL=http://www.ti.com/general/docs/lit/getliterature.tsp?genericPartNumber=INA240&fileType=pdf&src-supplier=Farnell, ComponentLink2Description=http://www.ti.com/lit/ds/symlink/ina240.pdf?src-supplier=Digi-Key, ComponentLink2URL=http://www.ti.com/lit/ds/symlink/ina240.pdf?src-supplier=Digi-Key, Mount="Surface Mount", Number of Circuits=1, Number of Pins=8, Packaging="Tape and Reel", Pricing 1="1=2.65, 10=2.377, 25=2.2428, 100=1.7943, 250=1.56996, 500=1.52512, 1000=1.21113 (USD)", Slew Rate=2V/µs, Stock 1=4680, Supplier 1=Digi-Key

## Via types
v1: diameter 30, hole 15, Top Layer to Bottom Layer, 132 vias

## Nets (pads, with @x,y where several pads share a name; then routed paths per layer and width w, separated by ;. In a path a pad name is that pad's centre, name@x,y a point inside that pad or via, vN(x,y) a via of type N, cw(c..) or ccw(c..) an arc to the next point about the centre after c; other vN are vias at no path point)
BATT_TELEM_OUT: F1.2 P3.2 R9.1 | length 246.7
  Top Layer w10: R9.1@1190,935.63 1294.37,935.63 1395,835
BOOST_DRV_STRING1: D2.2 Q2.1 R7.2 | length 884.5
  Top Layer w30: D2.2@1839.61,1498.94 1839.61,1506.1 D2.2@1858.07,1524.57 ; D2.2@1848.07,1524.57 1964.61,1524.57 1973.46,1524.57 2239.09,1790.2 2359.61,1790.2 2479.61,1910.2 Q2.1@2539.61,1910.2
BOOST_DRV_STRING2: D8.2 Q5.1 R28.2 | length 884.5
  Top Layer w30: D8.2@3588.19,1498.74 3588.19,1505.91 D8.2@3606.65,1524.37 ; D8.2@3596.65,1524.37 3713.19,1524.37 3722.05,1524.37 3987.68,1790 4108.19,1790 4228.19,1910 Q5.1@4288.19,1910
BOOST_DRV_STRING3: D10.2 Q8.1 R36.2 | length 884.5
  Top Layer w30: D10.2@5310,1498.74 5310,1505.91 D10.2@5328.46,1524.37 ; D10.2@5318.46,1524.37 5435,1524.37 5443.86,1524.37 5709.49,1790 5830,1790 5950,1910 Q8.1@6010,1910
BOOST_OUT_STRING1: C5.2 C6.2 C7.2 C34.2 C35.2 C36.2 C44.2 C45.2 C46.2 C62.2 C63.2 C64.2 F1.1 P13.1 P13.2 Q1.2 Q4.2 Q7.2
BOOST_STRING1: C8.2 L1.2 Q1.3 Q2.2 U1.4 | length 629.8
  Top Layer w20: C8.2@2187.01,1025.2 2187.01,1032.09 2197.68,1042.76 2197.68,1052.54 2199.61,1054.47 2199.61,1214.75 2294.61,1309.75 2294.61,1490.2 Q1.3@2379.61,1575.2
BOOST_STRING2: C37.2 L3.2 Q4.3 Q5.2 U8.4 | length 629.8
  Top Layer w20: C37.2@3935.59,1025 3935.59,1031.89 3946.26,1042.56 3946.26,1052.35 3948.19,1054.27 3948.19,1214.55 4043.19,1309.55 4043.19,1490 Q4.3@4128.19,1575
BOOST_STRING3: C47.2 L4.2 Q7.3 Q8.2 U9.4 | length 629.8
  Top Layer w20: C47.2@5657.4,1025 5657.4,1031.89 5668.07,1042.56 5668.07,1052.35 5670,1054.27 5670,1214.55 5765,1309.55 5765,1490 Q7.3@5850,1575
CAN_N: P5.2 R15.1 U5.12 | length 964
  Top Layer w15: R15.1@370,814.37 378.86,814.37 418.23,775 505,775 538.65,741.35 538.65,603.65 490,555 490,449.64 523.14,416.5 574.32,416.5 586.48,404.34 586.48,380.52 P5.2@597,370 ; R15.1@374.43,818.8 380.22,824.59 393.71,824.59 402.5,833.37 402.5,1063.21 390,1075.71 U5.12@390,1093.43
CAN_P: P5.4 R14.1 U5.13 | length 872.7
  Top Layer w15: U5.13@440,1093.43 440,1075.71 427.5,1063.21 427.5,833.37 436.29,824.59 449.78,824.59 R14.1@460,814.37 505.63,814.37 563.65,756.35 563.65,593.29 515,544.64 515,460 533.5,441.5 574.32,441.5 586.48,453.66 586.48,477.48 P5.4@597,488
CAN_RX: P12.2 U4.3.13 U5.4 | length 1360.3
  Top Layer w10: U4.3.13@240,2300 440,2100 U5.4@440,1496.57 440,1375 615,1200 P12.2@720,1200
CAN_TX: P11.2 U4.3.5 U5.3 | length 2021.3
  Top Layer w10: U4.3.5@240,3100 490,2850 U5.3@490,1496.57 490,1435 545,1380 P11.2@720,1380
DH_STRING1: D1.1 R5.1 U1.3 | length 239.4
  Top Layer w20: v1(2149.61,1100.2) U1.3@2149.61,1191.77
  Bottom Layer w30: v1(2149.61,1100.2) 2219.61,1100.2 v1(2274.61,1045.2)
DH_STRING2: D7.1 R26.1 U8.3 | length 239.4
  Top Layer w20: v1(3898.19,1100) U8.3@3898.19,1191.57
  Bottom Layer w30: v1(3898.19,1100) 3968.19,1100 v1(4023.19,1045)
DH_STRING3: D9.1 R34.1 U9.3 | length 239.4
  Top Layer w20: v1(5620,1100) U9.3@5620,1191.57
  Bottom Layer w30: v1(5620,1100) 5690,1100 v1(5745,1045)
DL_STRING1: D2.1 R7.1 U1.8
DL_STRING2: D8.1 R28.1 U8.8
DL_STRING3: D10.1 R36.1 U9.8
HV_3P3V: C11.1 C12.1 C15.1 C16.1 C17.1 C50.1 C52.1 C54.1 C56.1 C58.1 C60.1 R8.2 R11.2 R12.2 R29.2 R37.2 R38.2 R41.2 R44.2 U2.8 U3.5 U3.6 U4.4.14 U5.1 U10.8 U11.6 U12.8 U13.6 U14.8 U15.6 | length 3349.7
  Top Layer w10: R12.2@340,3220.63 404.37,3220.63 405,3220 v1(420,3220) ; U5.1@590,1496.57 590,1514.29 605,1529.29 605,1551.58 610.86,1557.44 611.73,1557.44 627.4,1573.11 C17.1@627.4,1575 ; v1(665,3230) R11.2@745,3230 ; v1(726.81,1591.81) 699.82,1576.33 cw(c694.85,1585) 694.85,1575 632.4,1575 630.85,1576.56 C17.1@627.4,1580 627.4,1586.89 660.12,1619.61 C16.1@660.12,1675 v1(735,1675) ; C15.1@735,2210.12 745.12,2200 U4.4.14@840,2200 ; v1(985,1295) 1102.6,1295 1115,1307.4 1115,1329.14 1120.86,1335 1182.2,1335 1190,1327.2 U2.8@1190,1326.3 ; U3.5@1314.37,1492.4 1314.37,1548.66 1378.11,1612.4 C12.1@1385,1612.4 ; U3.6@1315.59,1662.74 1377.26,1662.74 1385,1655 C12.1@1385,1612.4 ; v1(1465,1610) 1387.4,1610 C12.1@1385,1612.4 ; R8.2@1724.61,1399.57 v1(1724.61,1515.2) ; R38.2@2183.37,3017 R38.2@2188.37,3022 ; R38.2@2183.98,3015.2 2188.98,3020.2 v1(2269.61,3020.2) ; U10.8@2184,3165.7 2190.1,3159.6 C50.1@2269,3159.6 v1@2269,3022 ; U10.8@2184.61,3163.9 2190.71,3157.8 C50.1@2269.61,3157.8 ; U11.6@3189,3958.3 3189,4007.71 3221.4,4040.11 C52.1@3221.4,4047 3264.43,4047 v1(3306.53,4089.1) ; U11.6@3189.61,3956.5 3189.61,4005.91 ; R29.2@3473.19,1399.37 v1(3473.19,1515) ; R41.2@3932.56,3015 R41.2@3937.56,3020 ; R41.2@3932.53,3017.2 3937.53,3022.2 4018.16,3022.2 C54.1@4018.16,3159.8 3939.26,3159.8 U12.8@3933.16,3165.91 ; U12.8@3933.19,3163.7 U12.8@3939.29,3157.6 ; U13.6@4938.16,3958.5 4938.16,4007.91 4970.56,4040.31 C56.1@4970.56,4047.2 5013.59,4047.2 v1(5055.69,4089.31) ; U13.6@4938.19,3956.3 4938.19,4005.71 ; R37.2@5195,1399.37 v1(5195,1515) ; R44.2@5654.37,3015 5659.37,3020 v1(5740,3020) C58.1@5740,3157.6 5661.1,3157.6 U14.8@5655,3163.7 ; U15.6@6660,3956.3 6660,4005.71 6692.4,4038.11 C60.1@6692.4,4045 6735.43,4045 v1(6777.53,4087.1)
  other v1: 4018.19,3020
HV_12P0V: C9.1 C10.2 C13.1 C14.1 C23.1 C24.2 C25.1 C38.1 C39.2 C48.1 C49.2 R17.1 TP7.1 U1.1 U4.4.1 U8.1 U9.1 | length 1156.8
  Top Layer w25: v1(2034.61,810.2) v1(2034.61,915.2) 2034.67,915.26 2034.67,995.14 2034.72,995.2 2034.72,1067.61 cw(c2059.59,1067.61) 2042.01,1085.2 2042.01,1173.43 cw(c2067.95,1173.43) U1.1@2049.61,1191.77 ; v1(3783.19,810) v1(3783.19,915) 3783.25,915.06 3783.25,994.94 3783.31,995 3783.31,1067.42 cw(c3808.17,1067.42) 3790.59,1085 3790.59,1173.23 cw(c3816.53,1173.23) U8.1@3798.19,1191.57 ; v1(5505,810) v1(5505,915) 5505.06,915.06 5505.06,994.94 5505.12,995 5505.12,1067.42 cw(c5529.99,1067.42) 5512.4,1085 5512.4,1173.23 cw(c5538.34,1173.23) U9.1@5520,1191.57
  other v1: 1305,3718 1385,3718 1457.62,3718 1305,3808.83 1305,3890